# KiCad board Preamp_1.kicad_pcb (continued)
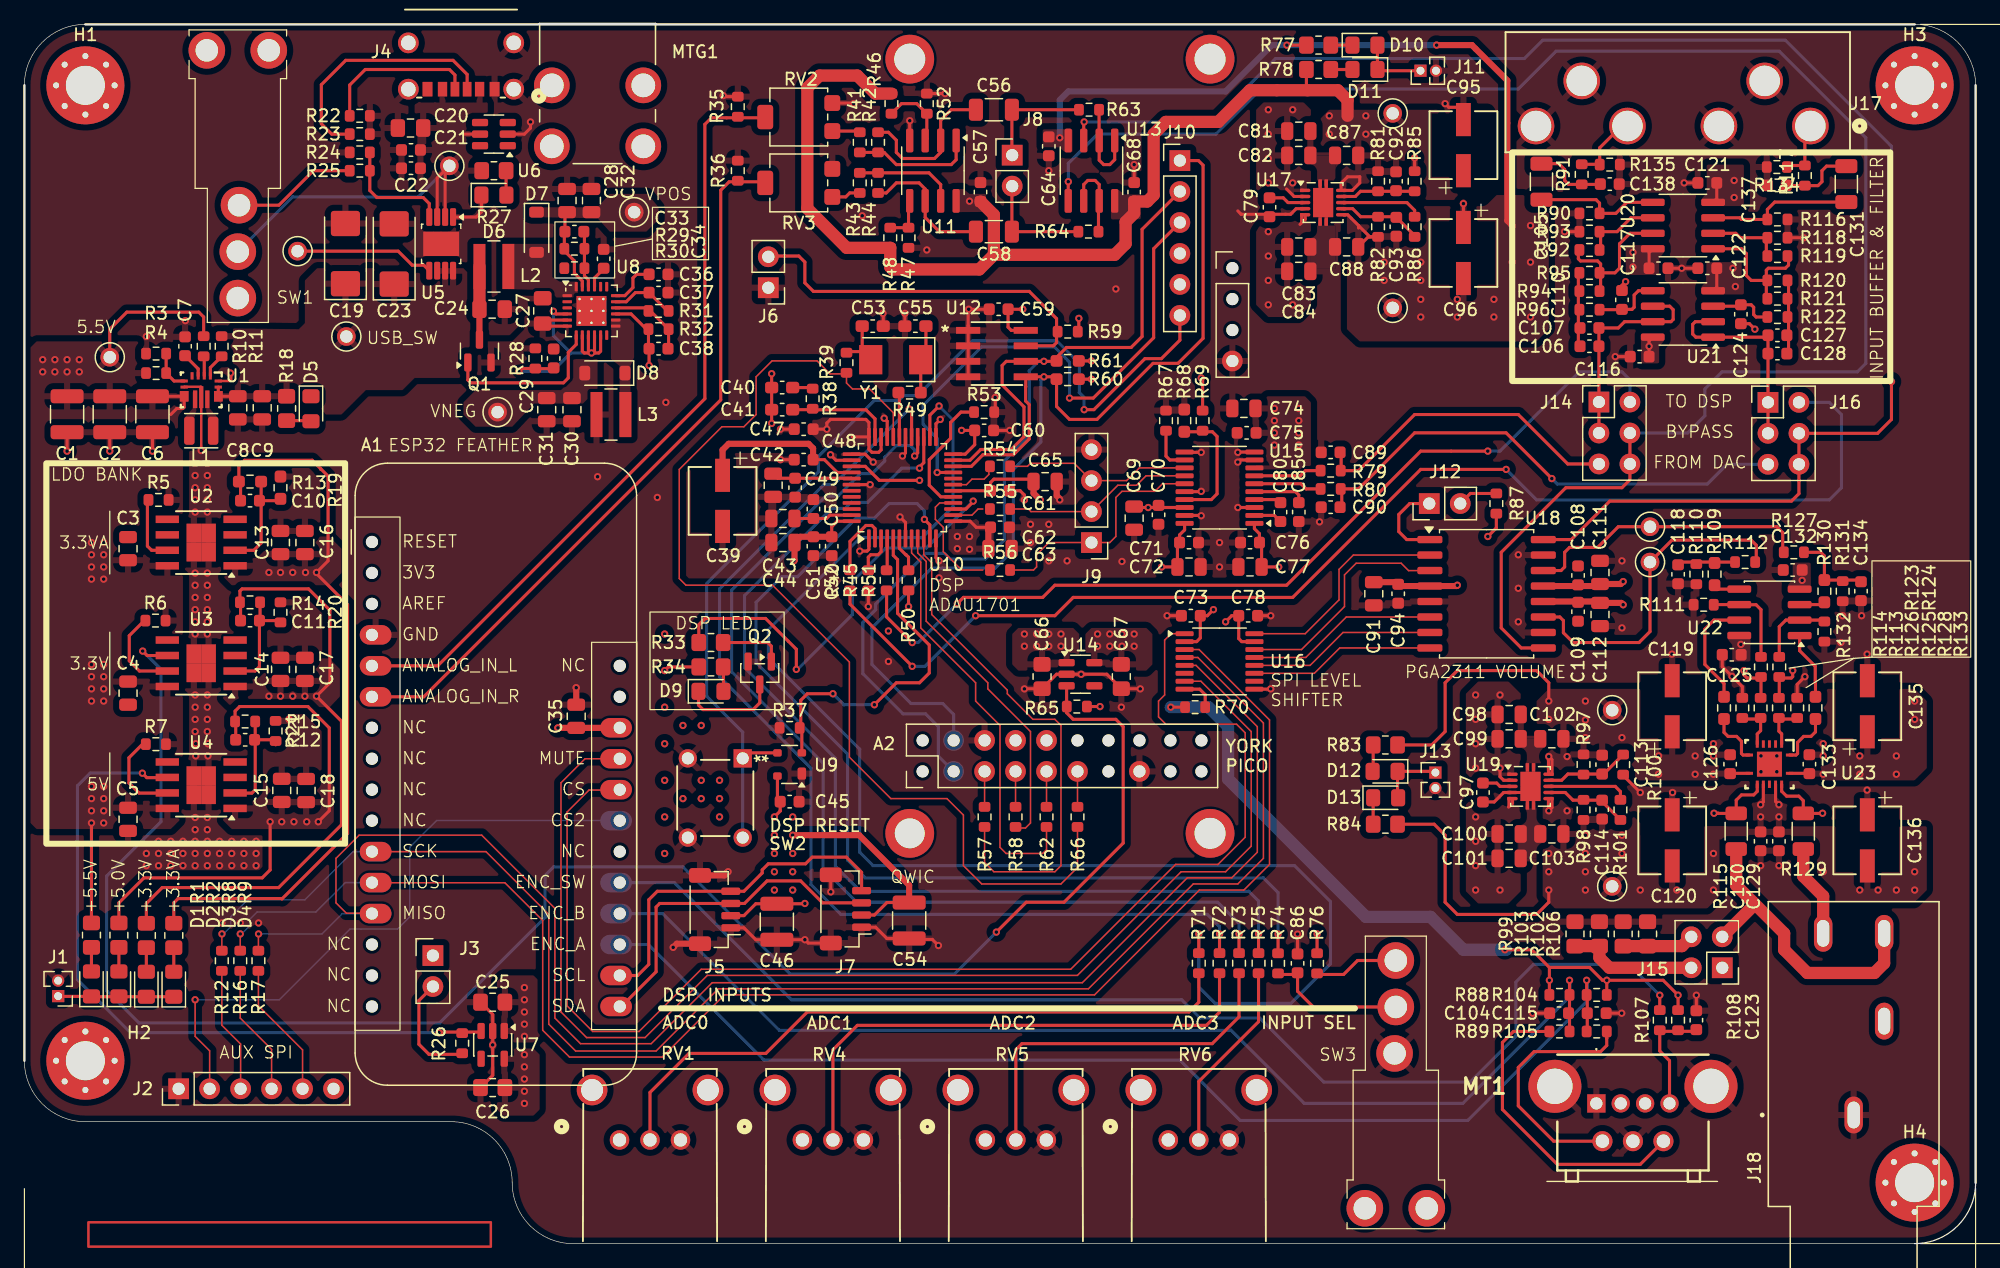
[diagram p0: board, top side]
## Routing (per net, layer and track width the routed paths; a pad name or vN(x,y) marks a point on that pad's centre or on a via; arc(x,y) is an arc through that point) (continued)
  Bottom w0.254: v1(73.4,63.6) 71.95,63.6 69.15,60.8 67.8,60.8 67.3,60.3 66.2,60.3 59.05,53.15 59.05,47.25 66.5,39.8 66.5,30.95 68.55,28.9 100.4,28.9 101.2,28.1 v1(101.2,25.4)
RIGHT_FILTERED: length 144.1
  Top w0.254: U13.5 85.59,87.09 v1(85.6,87.1) ; 124.55,48.86 122.75,48.86 121.1,50.5 121.1,56.7 126.4,62 131,62 131.65,62.65 J14.6 J14.4
  Bottom w0.254: J14.4 136.38,66.48 137.8,67.9 137.8,70.1 139.2,71.5 150.3,71.5 151,72.2 151,90.7 143.9,97.8 125.6,97.8 122.5,94.7 101.4,94.7 97.7,91 88,91 85.6,88.6 v1(85.6,87.1) 85.6,86.9
RIGHT_OUT: length 25.5
  Top w1: J15.3 141.82,27.77 141.82,27.92 ; 141.82,27.92 140.37,29.38 R115.1 ; 141.82,27.92 144.3,25.45 144.3,24.1 146.2,22.2 151.7,22.2 152.5,23 J18.2
SCL: length 86.9
  Top w0.254: J10.2 91.65,83.19 91.65,74.4 90.75,73.5 85.45,73.5 84.64,72.69 R61.2 ; 76.12,64.21 U10.23 77.54,64.25 78.42,65.13 80.92,65.13 81.97,66.18 81.97,68.63 80.17,70.43 80.17,72.02 80.52,72.37 U12.6 v1(83.6,72.37) 84.37,72.37 84.64,72.63
  Bottom w0.254: A2.3 74.95,39.97 74.95,42.4 73.9,43.45 72.05,43.45 68.75,46.75 68.75,50.94 69.81,52 69.81,52.46 73.6,56.25 73.6,56.3 73.91,56.61 75.44,56.61 75.9,56.15 78.8,56.15 80.35,57.7 80.35,64.2 82.4,66.25 82.4,71.6 83.17,72.37 v1(83.6,72.37)
SCLK: length 15.8
  Top w0.12: U18.6 108.4,51.39 105.07,48.08 U16.13
SDA: length 91.7
  Top w0.254: J10.1 96.27,88.83 96.65,88.45 96.65,74.25 94.6,72.2 92.55,72.2 87.95,67.6 85.7,67.6 84.64,68.66 R60.2 ; 84.64,71.13 84.6,71.09 v1(83.6,71.09) U12.5 82.11,70.29 82.1,70.28 82.1,69.11 82.4,68.81 82.4,66 81.1,64.7 78.6,64.7 77.65,63.75 U10.22
  Bottom w0.254: A2.4 76.19,43.41 75.3,44.3 72.7,44.3 69.5,47.5 69.5,50.5 74.4,55.4 74.74,55.4 74.75,55.39 75.25,55.39 75.26,55.4 79.6,55.4 81.1,56.9 81.1,63.5 83.35,65.75 83.35,70.84 v1(83.6,71.09)
SDI: length 19.1
  Top w0.12: U16.14 104.72,48.72 108.25,52.25 108.25,54.85 109.2,55.8 112.9,55.8 113.5,55.2 115.25,55.2 U18.3
SDO: length 15.5
  Top w0.12: U16.12 105.43,47.42 108.12,50.12 U18.7
SEL_SW: length 85.3
  Top w0.254: v1(73.8,59.4) 74.25,58.95 U10.11 ; 102.8,23.9 102.8,25.29
  Bottom w0.254: v1(73.8,59.4) 73.8,60.1 73.2,60.7 70.9,60.7 69.7,59.5 68.2,59.5 63.4,54.7 62.1,54.7 60,52.6 60,47.65 67.5,40.15 67.5,31.45 68.95,30 101.6,30 102.8,28.8 v1(102.8,25.39)
USB_5V_SW: length 6.6
  Top w0.254: U8.6 42.71,75.25 C27.1 42.79,75.75 U8.5 ; C8.1 U1.12 U1.14
Net-(A1-USB): length 28
  Top w0.5: 43.7,42.3 v1(43.75,42.3) C35.1 48.81,42.3 A1.26
  In2.Cu w0.5: v1(43.75,42.3) 33.5,32.05 J3.1
Net-(C40-Pad2): length 1.6
  Top w0.254: C40.2 64.64,70.21
Net-(C53-Pad1): length 5.3
  Top w0.254: C53.1 68.7,73.2 Y1.2 68.74,73.16 67.41,73.16
Net-(C55-Pad1): length 5.6
  Top w0.254: R49.1 Y1.1 73.5,72.6 73.92,73.03 C55.1
Net-(C105-Pad1): length 6.1
  Top w0.254: C138.1 129.2,86.88 R91.1 126.62,86.88 126.3,87.2 126.3,88.1 125.82,88.58 C105.1
Net-(C106-Pad1): length 6.1
  Top w0.254: 127.43,79.62 127.43,73.74 C106.1
Net-(C118-Pad1): length 4.7
  Top w0.254: C118.1 135.83,55.9 140.19,55.9
Net-(C123-Pad1): length 9.3
  Top w0.254: C123.1 136.96,17.41 134.1,17.41 134.1,15.8 134.9,15 MT1.4
Net-(C127-Pad1): length 6.1
  Top w0.254: C128.1 144.66,73.14 144.66,79
Net-(C131-Pad1): length 6.1
  Top w0.254: C131.1 147.78,88.38 147.4,88 147.4,87.1 147.07,86.78 R117.1 144.5,86.78 C137.1
Net-(C134-Pad1): length 6.8
  Top w0.254: C134.1 150.46,54.42 R130.1 147.6,56.4 147.3,56.7 146.01,56.7
Net-(D1-A): length 2
  Top w0.254: R1.2 D1.2
Net-(D1-K): length 9.9
  Top w0.254: J1.1 2.8,20.28 5.5,20.28 ; D4.1 5.13,20.25
Net-(D2-A): length 2
  Top w0.254: R2.2 D2.2
Net-(D3-A): length 2
  Top w0.254: R8.2 D3.2
Net-(D4-A): length 2
  Top w0.254: R9.2 D4.2
Net-(D5-A): length 2
  Top w0.254: R18.2 23.45,67.5 D5.2
Net-(D6-A): length 2
  Top w0.254: R27.2 39.5,86.03 D6.2
Net-(D9-A): length 2
  Top w0.254: D9.2 57.33,47.28 R34.2
Net-(D9-K): length 8
  Top w0.254: Q2.3 60.3,44.35 59.75,43.8 55.65,43.8 55.28,44.17 55.28,45.3
Net-(D10-A): length 5.6
  Top w0.254: 110.85,96.2 J11.1 ; D10.2 D11.1
Net-(D10-K): length 2
  Top w0.254: 107.05,98.3 109.03,98.3
Net-(D11-A): length 2
  Top w0.254: 107.03,96.3 109,96.3
Net-(D12-A): length 2.2
  Top w0.254: D12.2 110.6,38.78 R83.2
Net-(D12-K): length 5.4
  Top w0.254: J13.1 115.6,38.73 D12.1 ; 112.6,36.6 112.6,38.85
Net-(D13-K): length 2.2
  Top w0.254: D13.1 110.6,34.4 R84.1
Net-(J8-Pin_1): length 9.2
  Top w0.254: J8.1 80.97,89.3 C56.1 R63.1
Net-(J8-Pin_2): length 9.3
  Top w0.254: J8.2 80.97,86.71 C58.1 86.17,83 86.42,83.25
Net-(J12-Pin_2): length 3.3
  Top w0.254: R87.1 118.56,61.53 J12.2
Net-(J14-Pin_1): length 17.6
  Top w0.254: U21.6 134.91,76.88 135.2,76.6 135.2,75.8 135.01,75.62 U21.7 131.22,75.62 130.7,75.1 C107.2 C106.2 J14.3
Net-(J15-Pin_2): length 10.8
  Top w1: R99.1 R103.1 129.15,23.45 129.97,22.62 J15.2
Net-(J15-Pin_4): length 5.9
  Top w1: R102.1 135.92,24.4 J15.4
Net-(J16-Pin_1): length 16.9
  Top w0.254: J16.3 C128.2 C127.2 142.82,74.34 U21.1 137.06,74.34 136.8,74.6 136.8,75.4 137.01,75.62 U21.2
Net-(J17-Pad2): length 5
  Top w0.254: J17.2 146,91.21 146,88.42 144.65,88.42 R134.2
Net-(J17-Pad5): length 5.9
  Top w0.254: 127.7,88.53 129.15,88.53 R135.2 129.18,89.88 130.96,91.66 J17.5
Net-(Q1-D): length 6
  Top w0.5: Q1.3 C24.1
  Top w1: C24.1 L2.1
Net-(Q1-G): length 13.7
  Top w0.254: Q1.1 36.36,70.84 36.6,70.6 44.2,70.6 44.6,71 44.6,73.1 45.25,73.75 U8.7
Net-(Q2-B): length 5.3
  Top w0.254: Q2.1 61.25,49 60.95,49.3 R33.2
Net-(R25-Pad1): length 10.2
  Top w0.254: R25.1 23.7,88 20.87,85.17 SW1.3
Net-(R41-Pad1): length 2.3
  Top w0.254: R41.1 68.4,91.25 RV2.3
Net-(R41-Pad2): length 10.1
  Top w0.254: U11.1 76.41,88.91 76,88.5 71.5,88.5 70.5,89.5 R42.1 R41.2
Net-(R43-Pad1): length 2.6
  Top w0.254: 66.42,85.67 RV3.3 67.35,85.85 67.67,86.17 R43.1
Net-(R43-Pad2): length 7.9
  Top w0.254: 69,87.83 74.17,87.83 75.14,86.87 U11.7
Net-(R71-Pad1): length 54.3
  Top w0.254: RV1.2 51.3,12.4 54.5,15.6 60.8,15.6 64.2,19 95.5,19 96.3,19.8 96.3,22.09
Net-(R72-Pad1): length 43.5
  Top w0.254: 98,22.09 98,18.98 96.92,17.9 68.3,17.9 66.3,15.9 RV4.2
Net-(R73-Pad1): length 30.3
  Top w0.254: 99.6,22.09 99.6,18.6 97.4,16.4 81.8,16.4 81.3,15.9 RV5.2
Net-(R75-Pad1): length 15.6
  Top w0.254: RV6.2 96.3,13.3 101.2,18.2 101.2,22.09
Net-(R76-Pad1): length 6.9
  Top w0.254: SW3.1 109.32,23.22 108.18,22.08 106,22.08
Net-(R92-Pad1): length 11.7
  Top w0.254: 129.25,79.62 130.42,79.62 130.8,80 130.8,82 131.66,82.87 U20.7 ; 129.25,79.62 129.25,80.35 129,80.6 127.6,80.6 127.43,80.78 127.43,81.5 ; 129.25,79.62 129.25,78.12
Net-(R114-Pad1): length 9.3
  Top w0.254: U22.7 138.54,51.14 137.8,50.4 137.8,47.5 139.37,45.93 R114.1
Net-(R119-Pad1): length 11.6
  Top w0.254: 142.84,79 141.6,79 141.2,79.4 141.2,81.2 140.81,81.59 U20.1 ; 142.84,79 142.84,79.84 143,80 144.4,80 144.66,80.26 144.66,81 ; 142.84,79 142.84,77.5
Net-(R133-Pad1): length 5.6
  Top w0.254: U22.1 145.57,48.63 146.85,47.35 146.85,46.15 146.87,46.13 R133.1
Net-(SW3-COM): length 11.8
  Top w0.254: SW3.2 105.69,19.41 104.4,20.7 C86.1 104.26,22.08 102.8,22.08
Net-(U1-FB): length 3.3
  Top w0.254: U1.5 12.27,70.75 R4.2 R3.1
Net-(U1-PG): length 1.6
  Top w0.254: U1.2 14.75,72.72 R10.2
Net-(U1-PS_SYNC): length 2
  Top w0.254: R11.2 15.25,71.85 U1.1
Net-(U1-VAUX): length 2.1
  Top w0.254: C7.1 14.25,71.75 U1.3
Net-(U2-EN): length 5.6
  Top w0.254: U2.7 10.44,56.86 10.09,57.21 10.09,61
Net-(U2-FB): length 9.2
  Top w0.254: U2.2 18.81,56.86 19.41,57.46 R13.1 ; R19.2 20.85,60.94 C10.2
Net-(U3-EN): length 7.3
  Top w0.254: 9.84,51.1 8.6,49.86 8.6,47.8 9.44,46.97 U3.7
Net-(U3-FB): length 9.2
  Top w0.254: U3.2 18.91,46.97 19.27,47.33 C11.2 ; C11.2 19.33,51.15 R14.1 ; C11.2 20.85,51.1 R20.2
Net-(U4-EN): length 7.3
  Top w0.254: U4.7 11.7,36.95 9.41,36.95 8.57,37.78 8.57,39.85 9.69,40.97 9.87,40.97
Net-(U4-FB): length 9.3
  Top w0.254: R15.1 18.93,37.23 18.65,36.95 17.95,36.95 17.93,36.97 U4.2 ; C12.2 20.19,41.33 20.6,40.91
Net-(U4-PG): length 58.8
  Top w0.254: v1(9.67,38.58) 10.04,38.22 11.69,38.22 ; v1(34,17.3) 34.05,17.35 37.36,17.35 U7.3
  Bottom w0.254: v1(9.67,38.58) 9.66,38.6 5.4,38.6 4.35,37.55 4.35,21.65 8.7,17.3 v1(34,17.3)
Net-(U5-*EN): length 9.5
  Top w0.254: R24.1 R25.2 28.33,86.38 28.9,85.8 32.7,85.8 33.2,85.3 U5.4
Net-(U5-*FLT): length 11.5
  Top w0.254: U5.5 32.75,80.25 31.8,80.25 30.65,81.4 TP2.TP
Net-(U8-CN): length 3.9
  Top w0.254: 51.17,79.5 50.2,79.5 49.9,79.2 49.9,78.41 49.24,77.75 U8.18
Net-(U8-CP): length 1.8
  Top w0.254: 47.5,79.95 46.75,79.2 U8.21
Net-(U8-ENN): length 22
  Top w0.254: 42.05,71.76 43.45,71.76 43.5,71.71 ; 43.3,76.55 v1(43.38,76.47) 43.6,76.25 U8.4 ; 46.25,73.05 45.9,73.05 45.75,73.2 U8.8 ; 46.25,73.05 v1(46.5,73.05) 46.75,73.05 ; 46.25,73.05 U8.9 ; U8.11 47.25,73.2 47.1,73.05 46.75,73.05 ; v1(40.55,71.55) 40.78,71.78 R28.2 ; U8.10 46.75,73.05
  Bottom w0.254: 44.8,73.05 43.3,71.55 v1(40.55,71.55) ; 44.8,73.05 43.38,74.47 v1(43.38,76.47) ; 44.8,73.05 v1(46.5,73.05)
Net-(U8-FBN): length 6.8
  Top w0.254: C38.1 52.83,73.45 R32.2 51.33,76.5 R31.1 ; R31.1 50.92,76.75 U8.16 ; R31.1 51.22,76.45
Net-(U8-FBP): length 4.7
  Top w0.254: C33.2 45.92,82.95 R30.2 45.92,79.38 46.25,79.05 U8.22
Net-(U8-VREF): length 5.3
  Top w0.254: R31.2 52.72,76.5 C37.1 50.1,78 49.35,77.25 U8.17
Net-(U10-ADC0): length 5.8
  Top w0.254: U10.2 69.75,58.65 69.49,58.9 69.01,58.9 67.7,57.6 67.7,55.31
Net-(U10-ADC1): length 2.5
  Top w0.254: U10.4 70.75,55.36 70.7,55.31
Net-(U10-ADC_RES): length 3.3
  Top w0.254: 69.2,55.31 69.2,56.3 69.4,56.5 70,56.5 70.25,56.75 U10.3
Net-(U10-CM): length 14.4
  Top w0.254: C48.1 65.6,64.3 66.65,63.25 U10.40
  Top w0.5: C48.1 64.67,65.22 64.3,65.6 57.75,65.6 57.25,65.1 C39.1
Net-(U10-FILTA): length 4.8
  Top w0.254: C43.1 C50.1 65.78,59.47 66.05,59.75 U10.47
Net-(U10-FILTD): length 6.6
  Top w0.254: U10.41 67.81,62.78 C49.1 61.78,62.78 C42.1
Net-(U10-OSCO): length 3.7
  Top w0.254: R49.2 71.75,69.72 U10.31
Net-(U10-PLL_LF): length 8.5
  Top w0.254: C41.2 64.62,68.4 64.64,68.39 69.01,68.39 69.75,67.65 U10.35
Net-(U10-SELFBOOT): length 2.8
  Top w0.254: U10.6 71.75,57.03 72.28,56.5 72.3,56.5 72.5,56.3 72.5,55.31
Net-(U10-VDRIVE): length 10.4
  Top w0.254: U10.17 75.15,61.25 74.2,62.2 74.2,64.3 75.95,66.05 75.95,67.35 76.8,68.2 77.79,68.2
Net-(U11A-+): length 5.8
  Top w0.254: R46.1 71.92,93.5 73.17,93.5 R52.2 74,90.61 U11.3
Net-(U11A--): length 12.7
  Top w0.254: C56.2 76,93 75.14,92.13 U11.2 75.14,89.5 74.63,89 72,89 71.5,89.5 71.5,90.5 70.85,91.15 R42.2
Net-(U11B-+): length 3.7
  Top w0.254: U11.5 72.5,85.43 R47.2 R48.1
Net-(U11B--): length 10.9
  Top w0.254: 70.5,86.17 70.67,86.17 71.5,87 73.36,87 73.86,86.5 U11.6 73.86,84.16 75.01,83.01 ; 75.03,83 C58.2 ; 75.03,83 75.01,83.01 ; 75.03,83 75.01,83.01
Net-(U13A--): length 7.3
  Top w0.254: R63.2 88.12,90.48 U13.2 88.13,88.87 88.5,88.5 89,88.5 89.41,88.91 U13.1
Net-(U13B--): length 6.8
  Top w0.254: U13.6 86.86,86.87 87.2,87.2 87.8,87.2 88.13,86.87 U13.7 88.07,85.47 R64.2
Net-(U14-EN): length 149.2
  Top w0.254: v1(79.7,25.55) 82.15,28 85.25,28 90.1,32.85 90.1,42.4 89.5,43 86,43 85.46,43.54 U14.3 ; U3.6 10.06,48.23 v1(9.7,48.6)
  Bottom w0.254: v1(79.7,25.55) 76.25,22.1 62.8,22.1 54,30.9 43.4,30.9 42.7,30.2 42.7,26.75 34.05,18.1 9.4,18.1 6.75,20.75 6.75,30.15 11.2,34.6 11.2,47.1 v1(9.7,48.6)
Net-(U15-CAPM): length 2.2
  Top w0.254: C80.2 102.75,61.03 U15.4
Net-(U15-CAPP): length 2.3
  Top w0.254: U15.2 102.5,59.72 C80.1
Net-(U15-OUTL): length 5.5
  Top w0.254: U15.6 104.68,62.33 105.1,61.9 106.2,61.9
Net-(U15-OUTR): length 5.6
  Top w0.254: U15.7 104.62,62.97 105.05,63.4 106.07,63.4 106.2,63.28
Net-(U15-SCK): length 3.7
  Top w0.254: U15.12 93.93,64.28 93.61,64.59 93.61,66.59
Net-(U15-VNEG): length 4.4
  Top w0.254: U15.5 104.22,61.67 104.5,61.4 C85.1
Net-(U15-XSMT): length 10.4
  Top w0.254: R68.2 97.41,66.59 97.8,66.2 97.8,61.5 97.32,61.03 U15.17
Net-(U16-OE): length 3.1
  Top w0.254: 96.82,43.75 96.82,45.03 96.38,45.47 U16.8
Net-(U17-BUF): length 6.8
  Top w0.254: R86.2 114,84.75 113.37,85.38 U17.8
Net-(U17-FBN): length 7
  Top w0.254: 114,82.58 114,82.67 C93.1 112.45,84.22 R82.2 109.57,84.22 108.91,84.88 U17.7
Net-(U17-FBP): length 6.2
  Top w0.254: U17.9 109.13,85.88 109.56,86.31 R85.2
Net-(U17-NR/SS): length 3.1
  Top w0.254: C79.1 103.22,85.78 103.62,85.38 U17.3
Net-(U18-V_{OUT}L): length 23.6
  Top w0.254: 144.18,56.7 144.18,58.32 143.7,58.8 TP11.TP 130.7,58.8 129,57.1 126.7,57.1 126.3,56.7 126.3,55.5 126,55.2 U18.14
Net-(U18-V_{OUT}R): length 27.3
  Top w0.254: U18.11 125.91,51.39 126.2,51.1 126.2,50.1 127,49.3 132.4,49.3 133.3,50.2 TP12.TP 135.1,57.7 141.6,57.7 142.01,57.29 142.01,55.9
Net-(U19-BUF): length 6.8
  Top w0.254: U19.8 130.45,37.5 130.88,37.08 R101.2
Net-(U19-FBN): length 6.6
  Top w0.254: U19.7 126.35,37 126.98,36.37 C114.1 129.38,36.25 R101.1
Net-(U19-FBP): length 7
  Top w0.254: U19.9 126.05,38 126.56,38.52 C113.2 129.5,38.52 R100.2
Net-(U19-NR/SS): length 2.3
  Top w0.254: U19.3 121,37.5 120.72,37.78 C97.1
Net-(U20A-+): length 12.1
  Top w0.254: C131.2 143.53,85.42 142.93,84.83 R116.2 140.8,84 140.66,84.13 U20.3
Net-(U20A--): length 6
  Top w0.254: 142.84,81 142.84,82.5 140.7,82.5 140.34,82.87 U20.2
Net-(U20B-+): length 10.5
  Top w0.254: C105.2 128.88,85.62 129.16,85.34 R90.2 130.5,84.5 131.41,85.41 U20.5
Net-(U20B--): length 6.2
  Top w0.254: 129.25,81.5 129.25,83 130.6,83 131.74,84.13 U20.6
Net-(U21A-+): length 5.2
  Top w0.254: 142.84,76 142,76 141.8,76.2 141.8,76.8 141.6,77 C124.1 140.63,76.88 U21.3
Net-(U21B-+): length 5.5
  Top w0.254: 129.25,76.6 130.97,76.6 C110.1 131.82,76.62 132,76.8 132,77.8 132.35,78.16 U21.5
Net-(U22A-+): length 2.1
  Top w0.254: U22.3 147.41,52.41 R130.2
Net-(U22A--): length 6.3
  Top w0.254: 143.9,48.21 143.9,50.6 144.44,51.14 U22.2 147.57,51.14 147.6,51.11
Net-(U22B-+): length 2.2
  Top w0.254: R109.2 138.92,53.68 U22.5
Net-(U22B--): length 7.8
  Top w0.254: 138.6,52.41 140.62,52.41 U22.6 140.63,52.4 142,52.4 142.4,52 142.4,48.21
Net-(U23A-LIN+): length 4.5
  Top w0.254: R133.2 146.87,41.97 146.5,41.6 145.9,41.6 145.4,41.1 145.4,40.2 145.27,40.07 U23.1
Net-(U23A-LIN-): length 3.6
  Top w0.254: 145.37,43.03 143.87,43.03 143.87,42.03 144.09,41.81 U23.2
Net-(U23A-LOUT): length 21.2
  Top w0.254: U23.13 144.09,37.11 144.5,36.7 145.5,36.7 145.87,36.33 R129.2 147.44,35.29 v1(147.45,35.3) ; 143.87,44.85 143.9,44.88 143.9,46.39 144.89,46.39 145,46.5 v1(145,47)
  In2.Cu w0.254: v1(145,47) 145,37.75 v1(147.45,35.3)
Net-(U23B-RIN+): length 3.7
  Top w0.254: U23.6 142.09,41.79 142.37,42.07 142.37,43.03 140.87,43.03
Net-(U23B-RIN-): length 4.5
  Top w0.254: R114.2 139.37,41.93 139.7,41.6 140.4,41.6 140.8,41.2 140.8,40.2 140.93,40.07 U23.7
Net-(U23B-ROUT): length 21.6
  Top w0.254: 142.37,44.85 142.4,44.88 142.4,46.39 141.26,46.39 141,46.65 v1(141,47) ; v1(138.55,35.3) 138.9,35.3 138.91,35.29 R115.2 140.37,36.37 140.8,36.8 141.8,36.8 142.09,37.09 U23.9
  In2.Cu w0.254: v1(141,47) 141,37.75 v1(138.55,35.3)

## Copper pours and planes (outline as drawn; the poured copper is in the pictures)
5.5V on Top, In2.Cu: 13,70 12,71 12,73 11,74 1,74 0,73 0,35 1,34 12,34 13,35
+1V8 on Top: 87,47 87,50 87.5,50.5 92,50.5 92.5,50 92.5,47.5 92,47
+1V8 on Top: 79.5,56.5 76,56.5 75.5,57 75.5,59.5 78,59.5 78.55,59 79.5,59
+1V8 on In2.Cu: 79,67 79,65 78,64 78,61 83,61 84,62 89,62 90,63 94,63 95,62 95,60 94,59 93,59 92,58 92,50 91,49.01 86,49 84,51 73,51 72,52 72,58 73,59 73,64 74,65 74,67 75,68 78,68
+3.3V on Top: 16,45 17,44 25.04,44 26,45 26,47 25,48 17,48 16,47
+3.3V on Top: 86.5,47 86.5,50 86,50.5 81.5,50.5 81,50 81,47.5 81.5,47
+3.3V on Bottom: 41,65 41,61.5 42,60.5 46.5,60.5 47.5,59.5 52.5,59.5 53.5,58.5 53.5,56.5 54.5,55.5 54.5,44 69,41 69,31 67,31 66,30 66,25 65,24 65,23 64.5,22.4 59.95,22.4 50.15,31.4 50,48.5 32,48.5 31,49.5 31,59.5 30,60.5 27,60.5 26,59.5 26,45 25,44 17,44 16,45 16,65 17,66 40.05,66
+3.3V on In2.Cu: 88,78 88,71 89,70 90,70 91,69 91,66 92,65 97,65 98,64 98,44 97,43 73,43 72,42 72,38 71,37 71,36 70,35 70,32 69,31 67,31 66,30 66,25 65,24 65,23 64,22 51.5,22 50.5,23 50.5,51 51.5,52 72,52 73,51 84,51 86,49 91,49.01 92,50 92,58 93,59 94,59 95,60 95,62 94,63 90,63 89,62 85.3,62 83.3,60 78,60 78,64 79,65 79,78 80,79 87,79
+3.3V on In2.Cu: 26,53 26,45 25,44 17,44 16,45 16,53 17,54 25,54
+3.3VA on Top: 16,55 17,54 25,54 26,55 26,57 25,58 17,58 16,57
+3.3VA on Top: 100,69.5 105,69.5 105.5,69 105.5,63.5 100,63.5
+3.3VA on Top: 69.4,65.5 69.4,67.8 68.9,68.3 64.6,68.3 64.6,65.3 69.2,65.3
+3.3VA on In2.Cu: 93,81 93,75 94,74 94,72 95,71 103,71 104,70 104,54 103,53 98,53 98,64 97,65 92,65 91,66 91,69 90,70 89,70 88,71 88,78 87,79 80,79 79,78 79,69 78,68 75,68 74,67 74,65 73,64 73,60 72,59 70,59 69,58 69,56.05 67,54 66,53 32,53 31,54 17,54 16,55 16,65 17,66 59,66 60,66.9 60,72 61,73 63,73 64,74 64,81 65,82 73,82 74,83 91,83
+3V0 on Top: 38.75,16 41.75,16 42.25,15.5 42.25,11 41.75,10.5 39.25,10.5 38.75,11
+3V0 on In2.Cu: 108,27 108,2 107,1 37,1 37,15 38,16 42,16 43,15 43,11 44,10 49,10 50,9 50,7 51,6 61,6 62,7 62,9 63,10 64,10 65,9 65,7 66,6 76,6 77,7 77,9 78,10 79,10 80,9 80,7 81,6 91,6 92,7 92,9 93,10 94,10 95,9 95,7 95.91,6.09 102,6 103,7 103,27 104,28 107,28
+5V on Top: 38.75,16.5 41.75,16.5 42.25,17 42.25,21.5 41.75,22 39.25,22 38.75,21.5
+5V on Top: 16,35 17,34 25.04,34 26,35 26,37 25,38 17,38 16,37
+5V on In2.Cu: 122.1,62 122.1,59 121.1,58 120.1,58 119.1,57 119.1,48 118.1,47 112.1,47 111.1,46 111.1,29 110.1,28 104,28 103,27 103,18 102.1,17 97.1,17 96.1,16 79.1,16 78.1,15 43.1,15 42.1,16 38.1,16 37.1,15 37.1,10 21.1,10 20.1,11 20.1,32 19.1,33 17.1,33 16.1,34 16.1,36 17.1,37 26.1,37 27.1,36 27.1,19 28.1,18 30.1,18 31.1,19 31.1,21 32.1,22 64.1,22 65.1,23 65.1,24 66.1,25 66.1,30 67.1,31 69.1,31 70.1,32 70.1,35 71.1,36 97.1,36 98.1,37 98.1,53 103.2,53 104.1,54 104.1,56 108.1,56 109.1,57 110.1,57 111.1,58 111.1,60 112.1,61 112.1,62 113.1,63 121.1,63
+5V on In2.Cu: 16,35 17,34 25,34 26,35 26,43 25,44 17,44 16,43
+5VA on Top: 134.45,81.9 131.3,81.9 131.32,79.45 134.05,79.45 134.05,80.8 134.45,81.3
+5VA on Top: 107,93 106,92 106,87 107.4,85.6 119.6,85.6 121,87 121,92 120,93
+5VA on Top: 139.65,50.2 141.55,50.2 141.53,47.75 140.05,47.75 140.05,49.1 139.65,49.6
+5VA on Top: 89.1,86.45 89.1,84 91.55,84.02 91.55,86.05 90.2,86.05 89.7,86.45
+5VA on Top: 76.4,86.5 76.4,84.6 78.85,84.62 78.85,86.1 77.5,86.1 77,86.5
+5VA on Top: 134.45,74.65 132.55,74.65 132.57,72.2 134.05,72.2 134.05,73.55 134.45,74.05
+5VA on In2.Cu: 121,92 121,90 122,89 135,89 136,88 136,63.5 135.5,63 132,63 131,62 131,60 130,59 126,59 125,58 125,53.3 142,53.3 143,52.2 143,47 142,46 121,46 120,47 120,57 122,59 122,69 123,70 124,70 125,71 125,85 124,86 107,86 106,87 106,92 107,93 120,93
+10V on Top, Bottom: 125,38 124,39 124,44.5 125,45.5 155,45.5 156,44.5 156,39 155,38
-5VA on Top: 137.55,85.1 141,85.1 141,88.5 137.95,88.5 137.95,86.2 137.55,85.7
-5VA on Top: 109.5,86 108.45,85 108.45,75 109.5,74 124,74 125,75 125,85 124,86
-5VA on Top: 137.5,77.85 141,77.85 141,80.5 137.9,80.5 137.9,78.95 137.5,78.45
-5VA on Top: 144.6,53.4 146.5,53.4 146.48,55.85 145,55.85 145,54.5 144.6,54
-5VA on Top: 85.95,89.51 85.95,91.41 83.5,91.39 83.5,89.91 84.85,89.91 85.35,89.51
-5VA on Bottom: 112,86 111,85 111,75 112,74 149,74 150,75 150,85 149,86
-5VA on In2.Cu: 150,88 150,55 148,53 135,53 134,52.5 131.9,52.5 130.18,53.3 125,53.3 125,58 126,59 130,59 131,60 131,62 132,63 135.5,63 136,63.5 136,88 137,89 149,89
-5VA on In2.Cu: 107,86 106,85 106,75 107,74 124,74 125,75 125,85 124,86
-10V on Top: 124.5,37 127,37 127,35.5 131.5,35.5 132.5,34.5 132.5,33.5 133.5,32.5 137.5,32.5 137.5,34.25 156,34.23 156,29 155,28 148,28 147,29 147,33.2 139,33.15 139,28.5 138,27.5 125.5,27.5 124.5,28.5
-10V on Top: 141.64,33 144.6,33 144.6,38.15 141.65,38.15
-10V on Bottom: 156,37 156,29 155,27.9 125,28 124,29 124,37 125,38 155,38
GND on Top: 122.5,41.45 124.5,41.45 124.5,39.4 122.5,39.4
GND on Top: 122.5,35.7 124.5,35.7 124.5,31.6 122.5,31.6
GND on Top: 105.5,89.25 107.5,89.25 107.5,87.2 105.5,87.2
GND on Top: 105.5,83.5 107.5,83.5 107.5,79.95 105.5,79.95
GND on Top, Bottom, In1.Cu, In2.Cu: 160,100 0,100 0,0 160,0
/Power/VNEG on Top: 122.7,36.9 119.1,36.9 118.2,36 118.2,28.9 119.2,27.9 121.7,27.9 122.7,28.9
/Power/VNEG on Top: 45.25,72.55 47,72.55 47,70.1 45.8,68.9 41.8,68.9 40,67 37,67 36,68 36,69 37,70 44,70 45,71 45,72.5
/Power/VNEG on Top: 105.5,84.5 101.9,84.5 101,83 101,77 102,76 104.5,76 105.5,77
/Power/VNEG on Bottom: 102,85.5 100,83 94.7,83 94.7,49 96,48 96,46.1 97,45 99,45 100,44 100,40 101,39 102,39 103,38 104,38 105,37 105,34 107,32 108,32 112,28 121.7,27.9 122.7,28.9 122.7,36.4 121.7,37.6 119.2,37.6 118,38 118,45 117,45.7 110,46 109,47 109,68 108,70 108,72 107,74 107,76 106,78 106,84 104.5,85.5
/Power/VNEG on Bottom: 36,69 36,68 37,67 65,67 74,76 88,76 90,70 108,70 108,72 107,74 107,76 106,78 106,84 104.5,85.5 102,85.5 101,84.5 100,83 66,83 65,82 65,76 62,73 50,73 48,71 45,71 44,70 37,70
/Power/VNEG on Bottom: 37,70 36,69 36,68 37,67 40,67 41.8,68.9 41.8,70
/Power/VNEG on Bottom, In2.Cu: 122.7,36.4 121.7,37.6 119.2,37.6 118.2,36.4 118.2,28.9 119.2,27.9 121.7,27.9 122.7,28.9
/Power/VNEG on Bottom, In2.Cu: 105.5,84.5 104.5,85.5 102,85.5 101,84.5 101,77 102,76 104.5,76 105.5,77
/Power/VPOS on Top: 122.7,45.1 121.7,46.1 119.2,46.1 118.2,45.1 118.2,38.6 119.2,37.6 121.7,37.6 122.7,38.6
/Power/VPOS on Top: 105.5,93 104.5,94 102,94 101,93 101,86.5 102,85.5 104.5,85.5 105.5,86.5
/Power/VPOS on Top: 48,86.1 47,85 41.4,85 41.4,84.2 47,84.1 48,83 51,83 52,84 52,85 51.1,86.1
/Power/VPOS on Bottom: 101,93 102,94 104.5,94 105.5,93 105.5,91 107,90 109,90 110,89 111,85 111,75 112,74 112,72 114,70 114,51 115,50 122,50 123,49 122.7,38.6 121.7,37.6 119.2,37.6 118.2,38.6 118.2,45.1 117,46 110,46 109,47 109,68 108,70 108,72 107,74 107,76 106,78 106,84 104.5,85.5 102,85.5 101,86.5
/Power/VPOS on Bottom: 51.1,86.1 52,85 52,84 51,83 48,83 47,84.1 47,85 48,86.1
/Power/VPOS on Bottom, In2.Cu: 105.5,93 104.5,94 102,94 101,93 101,86.5 102,85.5 104.5,85.5 105.5,86.5
/Power/VPOS on Bottom, In2.Cu: 122.7,45.1 121.7,46.1 119.2,46.1 118.2,45.1 118.2,38.6 119.2,37.6 121.7,37.6 122.7,38.6
/Power/VPOS on In2.Cu: 47,85 47,84.1 48,83 99,83 100,84 100,85 102,85.5 104.5,85.5 105.5,86.5 105.5,93 104.5,94 57.9,94 57,93 57,89 55,87 52,87 51.1,86.1 48,86.1
/USBC Input/USBC_VBUS on Top: 33,95 37,95 38,93.9 38,85.3 37,84 33,84 32,85 32,94
USB_5V_SW on Top: 45,75 45,76 41,76 41,75 40,74 38,74 38,70 40,70 41,71 41,73 42,74.02 43,74.02 43,73 44,73 44,74.02
USB_5V_SW on Top, In2.Cu: 16,70 17,71 16.91,73.6 15.43,73.6 15.43,75.08 22.5,75 23,75.5 23,79 24,80 36,80 37,79 37,75 38,74 40,74 41,75 41,76 42,77 44,77 45,76 45,75 44,74.02 44,73 43,72 42,72 41,71 32,71 31,70 28,70 26,68 17,68 16,69
Net-(D7-A) on Top: 43.6,77.6 43.2,78.2 39.2,78.3 39.2,82 43.3,82 43.3,79.27 43.9,78.9 45.4,78.9 45.4,77.6
Net-(D8-K) on Top: 48.1,75.9 50,75.9 50,72.7 49.7,72 49.7,66.2 48.8,66.2 48.8,72 48.1,72.55
Net-(U1-L1) on Top: 15.15,69.95 15.15,68.55 15.9,67.7 15.9,65.65 15.05,65.65 15.05,67.75 14.85,68.55 14.85,69.95
Net-(U1-L2) on Top: 13.8,69.95 13.8,68.5 13.1,67.7 13.1,65.65 13.95,65.65 13.95,67.75 14.15,68.5 14.15,69.95

## Text on the board
F.Silkscreen: LDO BANK | 5.5V | NC | USB_SW | ESP32 FEATHER | RESET | 3V3 | AREF | GND | ANALOG_IN_L | ANALOG_IN_R | SCK | MOSI | MISO | VNEG | ENC_SW | ENC_B | ENC_A | MUTE | CS2 | SDA | SCL | CS | VPOS | DSP LED | QWIC | DSP / ADAU1701 | SPI LEVEL / SHIFTER | FROM DAC | TO DSP | BYPASS | AUX SPI | 3.3VA | 3.3V | 5V | PGA2311 VOLUME | +5.5V | +5.0V | +3.3V | +3.3VA | INPUT BUFFER & FILTER | ADC0 | DSP INPUTS | DSP RESET | ADC1 | ADC2 | ADC3 | YORK / PICO | INPUT SEL
